# KiCad board rabbit_mask.kicad_pcb (continued)
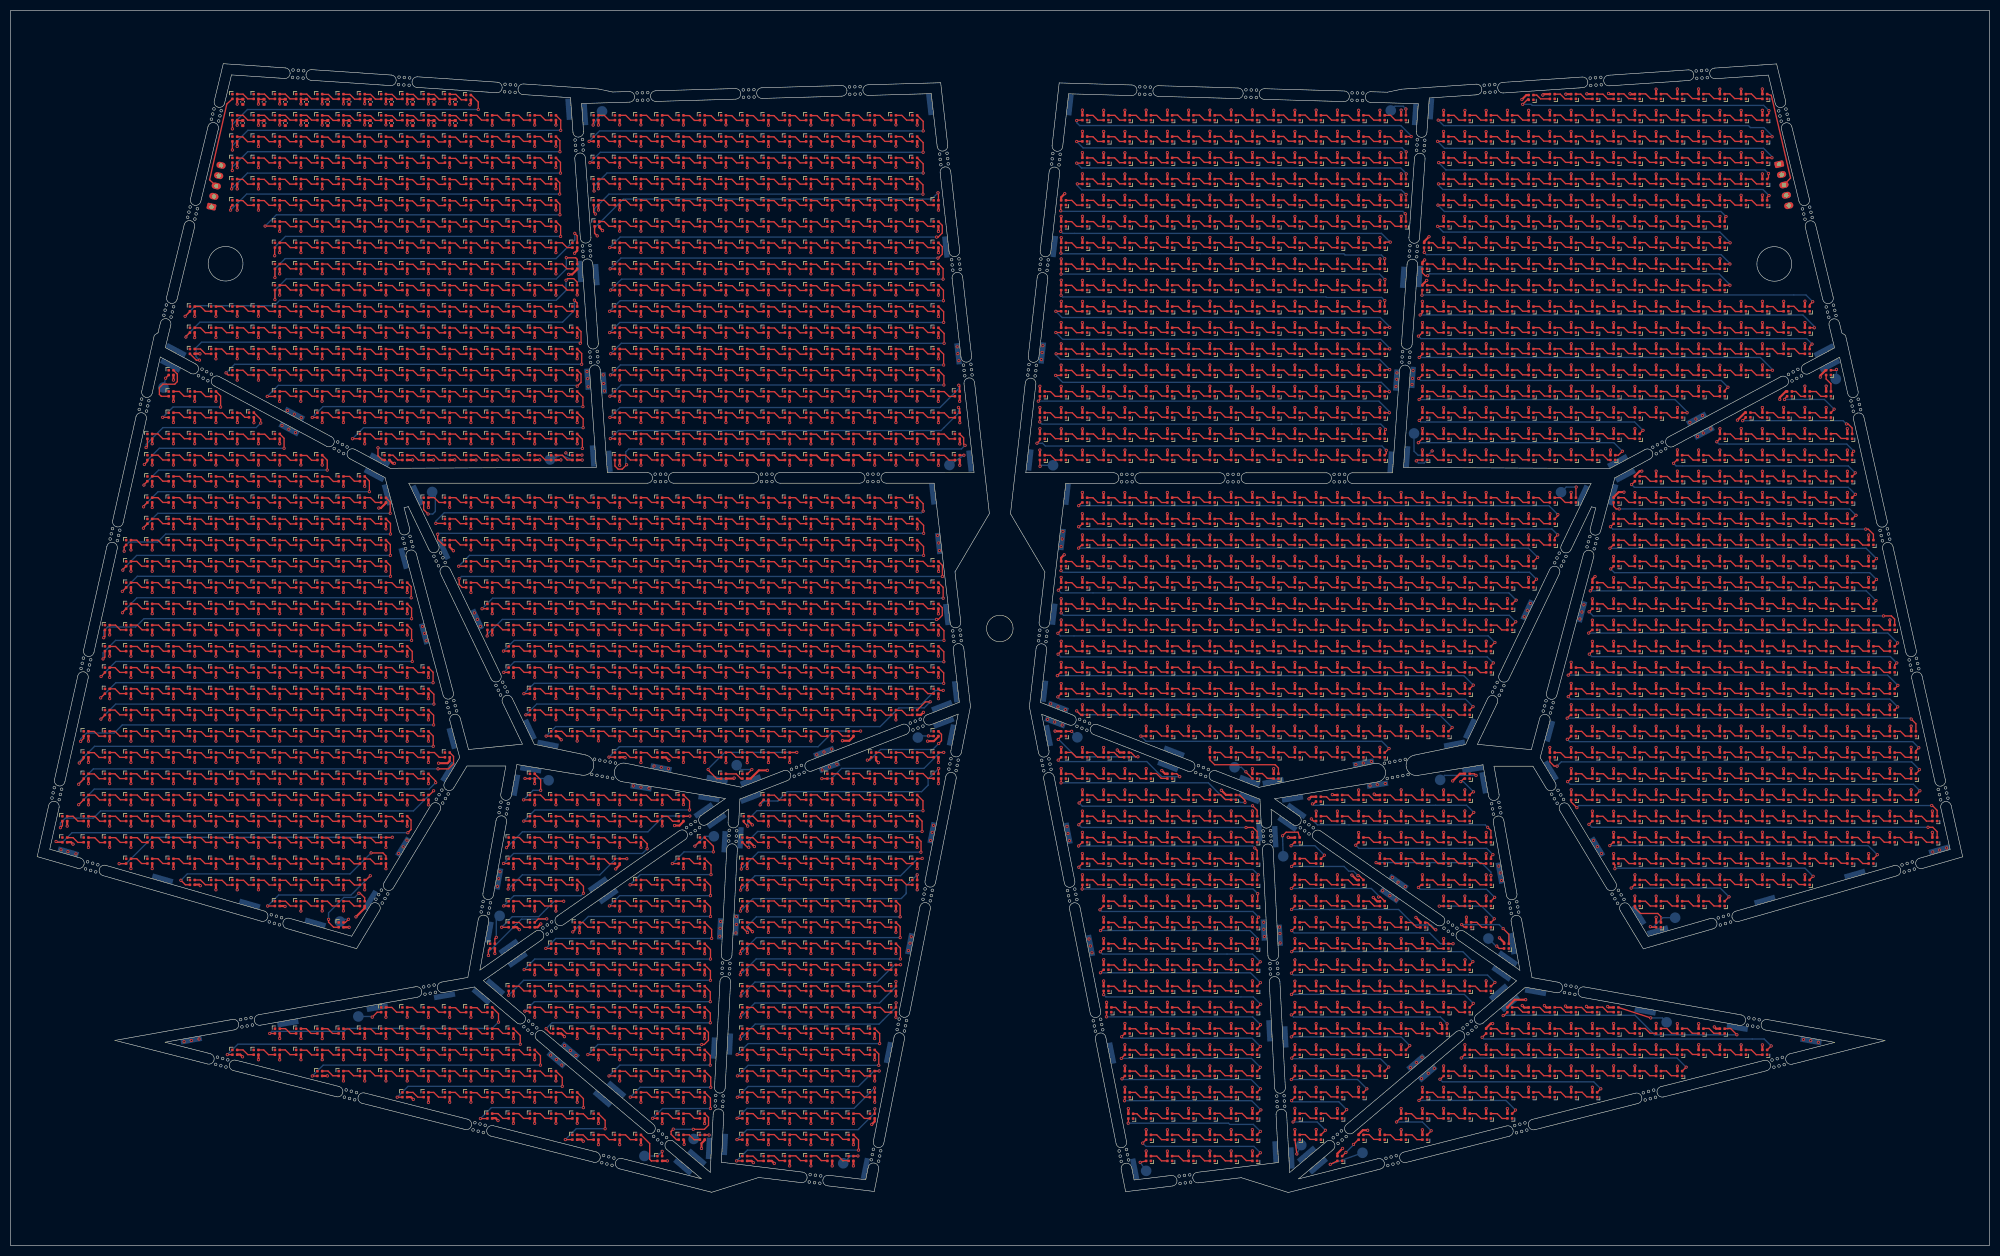
[diagram p0: board, top side]
## Nets
GND: C1485.2 C1485#2.2 C1485#3.2 C1485#4.2 C1485#5.2 C1485#6.2 C1485#7.2 C1485#8.2 C1485#9.2 C1485#10.2 C1485#11.2 C1485#12.2 C1485#13.2 C1485#14.2 C1485#15.2 C1485#16.2 C1485#17.2 C1485#18.2 C1485#19.2 C1485#20.2 C1485#21.2 C1485#22.2 D1.4 D2.4 D3.4 D4.4 D5.4 D6.4 D7.4 D8.4 D9.4 D10.4 D11.4 D12.4 D13.4 D14.4 D15.4 D16.4 D17.4 D18.4 D19.4 D20.4 D21.4 D22.4 D23.4 D24.4 D25.4 D26.4 D27.4 D28.4 D29.4 D30.4 D31.4 D32.4 D33.4 D34.4 D35.4 D36.4 D37.4 D38.4 D39.4 D40.4 D41.4 D42.4 D43.4 D44.4 D45.4 D46.4 D47.4 D48.4 D49.4 D50.4 D51.4 D52.4 D53.4 D54.4 D55.4 D56.4 D57.4 D58.4 D59.4 D60.4 D61.4 D62.4 D63.4 D64.4 D65.4 D66.4 D67.4 D68.4 D69.4 D70.4 D71.4 D72.4 D73.4 D74.4 D75.4 D76.4 D77.4 D78.4 D79.4 D80.4 D81.4 D82.4 D83.4 D84.4 D85.4 D86.4 D87.4 D88.4 D89.4 D90.4 D91.4 D92.4 D93.4 D94.4 D95.4 D96.4 D97.4 D98.4 D99.4 D100.4 D101.4 D102.4 D103.4 D104.4 D105.4 D106.4 D107.4 D108.4 D110.4 D111.4 D112.4 D113.4 D114.4 D115.4 D116.4 D117.4 D118.4 D119.4 D120.4 D121.4 D122.4 D123.4 D124.4 D125.4 D126.4 D127.4 D128.4 D129.4 D130.4 D131.4 D132.4 D133.4 D134.4 D135.4 D136.4 D137.4 D138.4 D139.4 D140.4 D141.4 D143.4 D144.4 D145.4 D146.4 D147.4 D148.4 D149.4 D150.4 D151.4 D152.4 D153.4 D154.4 D155.4 D156.4 D157.4 D158.4 D159.4 D160.4 D161.4 D162.4 D163.4 D164.4 D165.4 D166.4 D167.4 D168.4 D169.4 D170.4 D171.4 D172.4 D173.4 D174.4 D175.4 D179.4 D180.4 D181.4 D182.4 D183.4 D184.4 D185.4 D186.4 D187.4 D188.4 D189.4 D190.4 D191.4 D192.4 D193.4 D194.4 D195.4 D196.4 D197.4 D198.4 D199.4 D200.4 D201.4 D202.4 D203.4 D204.4 D205.4 D206.4 D207.4 D208.4 D209.4 D210.4 D211.4 D212.4 D213.4 D214.4 D215.4 D216.4 D217.4 D218.4 D219.4 D220.4 D221.4 D222.4 D223.4 D224.4 D225.4 D226.4 D227.4 D228.4 D229.4 D230.4 D231.4 D232.4 D233.4 D234.4 D235.4 D236.4 D237.4 D238.4 D239.4 D240.4 D241.4 D242.4 D243.4 D244.4 D245.4 D246.4 D247.4 D248.4 D249.4 D250.4 D251.4 D252.4 D253.4 D254.4 D255.4 D256.4 D257.4 D258.4 D259.4 D260.4 D261.4 D262.4 D263.4 D264.4 D265.4 D266.4 D267.4 D268.4 D269.4 D270.4 D271.4 D272.4 D273.4 D274.4 D275.4 D276.4 D277.4 D278.4 D279.4 D280.4 D281.4 D282.4 D283.4 D284.4 D285.4 D286.4 D287.4 D288.4 D289.4 D290.4 D291.4 D292.4 D293.4 D294.4 D295.4 D296.4 D297.4 D298.4 D299.4 D300.4 D301.4 D302.4 D303.4 D304.4 D305.4 D306.4 D307.4 D308.4 D309.4 D310.4 D311.4 D312.4 D313.4 D314.4 D315.4 D316.4 D317.4 D318.4 D319.4 D320.4 D321.4 D322.4 D323.4 D324.4 D325.4 D326.4 D327.4 D328.4 D329.4 D330.4 D331.4 D332.4 D333.4 D334.4 D335.4 D336.4 D337.4 D338.4 D339.4 D340.4 D341.4 D342.4 D343.4 D344.4 D345.4 D346.4 D347.4 D348.4 D349.4 D350.4 D351.4 D352.4 D353.4 D354.4 D355.4 D356.4 D357.4 D358.4 D359.4 D360.4 D361.4 D362.4 D363.4 D364.4 D365.4 D366.4 D367.4 D368.4 D369.4 D370.4 D371.4 D372.4 D373.4 D374.4 D375.4 D376.4 D377.4 D378.4 D379.4 D380.4 D381.4 D382.4 D383.4 D384.4 D385.4 D386.4 D387.4 D388.4 D389.4 D390.4 D391.4 D392.4 D393.4 D394.4 D395.4 D396.4 D397.4 D398.4 D399.4 D400.4 D401.4 D402.4 D403.4 D404.4 D405.4 D406.4 D407.4 D408.4 D409.4 D410.4 D411.4 D412.4 D413.4 D414.4 D415.4 D416.4 D417.4 D418.4 D419.4 D420.4 D421.4 D422.4 D423.4 D424.4 D425.4 D426.4 D427.4 D428.4 D429.4 D430.4 D431.4 D432.4 D433.4 D434.4 D435.4 D436.4 D437.4 D438.4 D439.4 D440.4 D441.4 D442.4 D443.4 D444.4 D445.4 D446.4 D447.4 D448.4 D449.4 D450.4 D451.4 D452.4 D453.4 D454.4 D455.4 D456.4 D457.4 D458.4 D459.4 D460.4 D461.4 D462.4 D463.4 D464.4 D465.4 D466.4 D467.4 D468.4 D469.4 D470.4 D471.4 D472.4 D473.4 D474.4 D475.4 D476.4 D477.4 D478.4 D479.4 D480.4 D481.4 D482.4 D483.4 D484.4 D485.4 D486.4 D487.4 D488.4 D489.4 D490.4 D491.4 D492.4 D493.4 D494.4 D495.4 D496.4 D497.4 D498.4 D499.4 D500.4 D501.4 D502.4 D503.4 D504.4 D505.4 D506.4 D507.4 D508.4 D509.4 D510.4 D511.4 D512.4 D513.4 D514.4 D515.4 D516.4 D517.4 D518.4 D519.4 D520.4 D521.4 D522.4 D523.4 D524.4 D525.4 D526.4 D527.4 D528.4 D529.4 D530.4 D531.4 D532.4 D533.4 D534.4 D535.4 D536.4 D537.4 D538.4 D539.4 D540.4 D541.4 D542.4 D543.4 D544.4 D545.4 D546.4 D547.4 D548.4 D549.4 D550.4 D551.4 D552.4 D553.4 D554.4 D555.4 D556.4 D557.4 D558.4 D559.4 D560.4 D561.4 D562.4 D563.4 D564.4 D565.4 D566.4 D567.4 D568.4 D569.4 D570.4 D571.4 D572.4 D573.4 D574.4 D575.4 D576.4 D577.4 D578.4 D579.4 D580.4 D581.4 D582.4 D583.4 D584.4 D585.4 D586.4 D587.4 D588.4 D589.4 D590.4 D591.4 D592.4 D593.4 D594.4 D595.4 D596.4 D597.4 D598.4 D599.4 D600.4 D601.4 D602.4 D603.4 D604.4 D605.4 D606.4 D607.4 D608.4 D609.4 D610.4 D611.4 D612.4 D613.4 D614.4 D615.4 D616.4 D617.4 D618.4 D619.4 D620.4 D621.4 D622.4 D623.4 D624.4 D625.4 D626.4 D627.4 D628.4 D629.4 D630.4 D631.4 D632.4 D633.4 D634.4 D635.4 D636.4 D637.4 D638.4 D639.4 D640.4 D641.4 D642.4 D643.4 D644.4 D645.4 D646.4 D647.4 D648.4 D649.4 D650.4 D651.4 D652.4 D653.4 D654.4 D655.4 D656.4 D657.4 D658.4 D659.4 D660.4 D661.4 D662.4 D663.4 D664.4 D665.4 D666.4 D667.4 D668.4 D669.4 D670.4 D671.4 D672.4 D673.4 D674.4 D675.4 D676.4 D677.4 D678.4 D679.4 D680.4 D681.4 D682.4 D683.4 D684.4 D685.4 D686.4 D687.4 D688.4 D689.4 D690.4 D691.4 D692.4 D693.4 D694.4 D695.4 D696.4 D697.4 D698.4 D699.4 D700.4 D701.4 D702.4 D703.4 D704.4 D705.4 D706.4 D707.4 D708.4 D709.4 D710.4 D711.4 D712.4 D713.4 D714.4 D715.4 D716.4 D717.4 D718.4 D719.4 D720.4 D721.4 D722.4 D723.4 D724.4 D725.4 D726.4 D727.4 D728.4 D729.4 D730.4 D731.4 D732.4 D733.4 D734.4 D735.4 D736.4 D737.4 D738.4 D739.4 D740.4 D741.4 D742.4 D743.4 D744.4 D745.4 D746.4 D747.4 D748.4 D749.4 D750.4 D751.4 D752.4 D753.4 D754.4 D755.4 D756.4 D757.4 D758.4 D759.4 D760.4 D761.4 D762.4 D763.4 D764.4 D765.4 D766.4 D767.4 D768.4 D769.4 D770.4 D771.4 D772.4 D773.4 D774.4 D775.4 D776.4 D777.4 D778.4 D779.4 D780.4 D781.4 D782.4 D783.4 D784.4 D785.4 D786.4 D787.4 D788.4 D789.4 D790.4 D791.4 D792.4 D793.4 D794.4 D795.4 D796.4 D797.4 D798.4 D799.4 D800.4 D801.4 D802.4 D803.4 D804.4 D805.4 D806.4 D807.4 D808.4 D809.4 D810.4 D811.4 D812.4 D813.4 D814.4 D815.4 D816.4 D817.4 D818.4 D819.4 D820.4 D821.4 D822.4 D823.4 D824.4 D825.4 D826.4 D827.4 D828.4 D829.4 D830.4 D831.4 D832.4 D833.4 D834.4 D835.4 D836.4 D837.4 D838.4 D839.4 D840.4 D841.4 D842.4 D843.4 D844.4 D845.4 D846.4 D847.4 D848.4 D849.4 D850.4 D851.4 D852.4 D853.4 D854.4 D855.4 D856.4 D857.4 D858.4 D859.4 D860.4 D861.4 D862.4 D863.4 D864.4 D865.4 D866.4 D867.4 D868.4 D869.4 D870.4 D871.4 D872.4 D873.4 D874.4 D875.4 D876.4 D877.4 D878.4 D879.4 D880.4 D881.4 D882.4 D883.4 D884.4 D885.4 D886.4 D887.4 D888.4 D889.4 D890.4 D891.4 D892.4 D893.4 D894.4 D895.4 D896.4 D897.4 D898.4 D899.4 D900.4 D901.4 D902.4 D903.4 D904.4 D905.4 D906.4 D907.4 D908.4 D909.4 D910.4 D911.4 D912.4 D913.4 D914.4 D915.4 D916.4 D917.4 D918.4 D919.4 D920.4 D921.4 D922.4 D923.4 D924.4 D925.4 D926.4 D927.4 D928.4 D929.4 D930.4 D931.4 D932.4 D933.4 D934.4 D935.4 D936.4 D937.4 D938.4 D939.4 D940.4 D941.4 D942.4 D943.4 D944.4 D945.4 D946.4 D947.4 D948.4 D949.4 D950.4 D951.4 D952.4 D953.4 D954.4 D955.4 D956.4 D957.4 D958.4 D959.4 D960.4 D961.4 D962.4 D963.4 D964.4 D965.4 D966.4 D967.4 D968.4 D969.4 D970.4 D971.4 D972.4 D973.4 D974.4 D975.4 D976.4 D977.4 D978.4 D979.4 D980.4 D981.4 D982.4 D983.4 D984.4 D985.4 D986.4 D987.4 D988.4 D989.4 D990.4 D991.4 D992.4 D993.4 D994.4 D995.4 D996.4 D997.4 D998.4 D999.4 D1000.4 D1001.4 D1002.4 D1003.4 D1004.4 D1005.4 D1006.4 D1007.4 D1008.4 D1009.4 D1010.4 D1011.4 D1012.4 D1013.4 D1014.4 D1015.4 D1016.4 D1017.4 D1018.4 D1019.4 D1020.4 D1021.4 D1022.4 D1023.4 D1024.4 D1025.4 D1026.4 D1027.4 D1028.4 D1029.4 D1030.4 D1031.4 D1032.4 D1033.4 D1034.4 D1035.4 D1036.4 D1037.4 D1038.4 D1039.4 D1040.4 D1041.4 D1042.4 D1043.4 D1044.4 D1045.4 D1046.4 D1047.4 D1048.4 D1049.4 D1050.4 D1051.4 D1052.4 D1053.4 D1054.4 D1055.4 D1056.4 D1057.4 D1058.4 D1059.4 D1060.4 D1061.4 D1062.4 D1063.4 D1064.4 D1065.4 D1066.4 D1067.4 D1068.4 D1069.4 D1070.4 D1071.4 D1072.4 D1073.4 D1074.4 D1075.4 D1076.4 D1077.4 D1078.4 D1079.4 D1080.4 D1081.4 D1082.4 D1083.4 D1084.4 D1085.4 D1086.4 D1087.4 D1088.4 D1089.4 D1090.4 D1091.4 D1092.4 D1093.4 D1094.4 D1095.4 D1096.4 D1097.4 D1098.4 D1099.4 D1100.4 D1101.4 D1102.4 D1103.4 D1104.4 D1105.4 D1106.4 D1107.4 D1108.4 D1109.4 D1110.4 D1111.4 D1112.4 D1113.4 D1114.4 D1115.4 D1116.4 D1117.4 D1118.4 D1119.4 D1120.4 D1121.4 D1122.4 D1123.4 D1124.4 D1125.4 D1126.4 D1127.4 D1128.4 D1129.4 D1130.4 D1131.4 D1132.4 D1133.4 D1134.4 D1135.4 D1136.4 D1137.4 D1138.4 D1139.4 D1140.4 D1141.4 D1142.4 D1143.4 D1144.4 D1145.4 D1146.4 D1147.4 D1148.4 D1149.4 D1150.4 D1151.4 D1152.4 D1153.4 D1154.4 D1155.4 D1156.4 D1157.4 D1158.4 D1159.4 D1160.4 D1161.4 D1162.4 D1163.4 D1164.4 D1165.4 D1166.4 D1167.4 D1168.4 D1169.4 D1170.4 D1171.4 D1172.4 D1173.4 D1174.4 D1175.4 D1176.4 D1177.4 D1178.4 D1179.4 D1180.4 D1181.4 D1182.4 D1183.4 D1184.4 D1185.4 D1186.4 D1187.4 D1188.4 D1189.4 D1190.4 D1191.4 D1192.4 D1193.4 D1194.4 D1195.4 D1196.4 D1197.4 D1198.4 D1199.4 D1200.4 D1201.4 D1202.4 D1203.4 D1204.4 D1205.4 D1206.4 D1207.4 D1208.4 D1209.4 D1210.4 D1211.4 D1212.4 D1213.4 D1214.4 D1215.4 D1216.4 D1217.4 D1218.4 D1219.4 D1220.4 D1221.4 D1222.4 D1223.4 D1224.4 D1225.4 D1226.4 D1227.4 D1228.4 D1229.4 D1230.4 D1231.4 D1232.4 D1233.4 D1234.4 D1235.4 D1236.4 D1237.4 D1238.4 D1239.4 D1240.4 D1241.4 D1242.4 D1243.4 D1244.4 D1245.4 D1246.4 D1247.4 D1248.4 D1249.4 D1250.4 D1251.4 D1252.4 D1253.4 D1254.4 D1255.4 D1256.4 D1257.4 D1258.4 D1259.4 D1260.4 D1261.4 D1262.4 D1263.4 D1264.4 D1265.4 D1266.4 D1267.4 D1268.4 D1269.4 D1270.4 D1271.4 D1272.4 D1273.4 D1274.4 D1275.4 D1276.4 D1277.4 D1278.4 D1279.4 D1280.4 D1281.4 D1282.4 D1283.4 D1284.4 D1285.4 D1286.4 D1287.4 D1288.4 D1289.4 D1290.4 D1291.4 D1292.4 D1293.4 D1294.4 D1295.4 D1296.4 D1297.4 D1298.4 D1299.4 D1300.4 D1301.4 D1302.4 D1303.4 D1304.4 D1305.4 D1306.4 D1307.4 D1308.4 D1309.4 D1310.4 D1311.4 D1312.4 D1313.4 D1314.4 D1315.4 D1316.4 D1317.4 D1318.4 D1319.4 D1320.4 D1321.4 D1322.4 D1323.4 D1324.4 D1325.4 D1326.4 D1327.4 D1328.4 D1329.4 D1330.4 D1331.4 D1332.4 D1333.4 D1334.4 D1335.4 D1336.4 D1337.4 D1338.4 D1339.4 D1340.4 D1341.4 D1342.4 D1343.4 D1344.4 D1345.4 D1346.4 D1347.4 D1348.4 D1349.4 D1350.4 D1351.4 D1352.4 D1353.4 D1354.4 D1355.4 D1356.4 D1357.4 D1358.4 D1359.4 D1360.4 D1361.4 D1362.4 D1363.4 D1364.4 D1365.4 D1366.4 D1367.4 D1368.4 D1369.4 D1370.4 D1371.4 D1372.4 D1373.4 D1374.4 D1375.4 D1376.4 D1377.4 D1378.4 D1379.4 D1380.4 D1381.4 D1382.4 D1383.4 D1384.4 D1385.4 D1386.4 D1387.4 D1388.4 D1389.4 D1390.4 D1391.4 D1392.4 D1393.4 D1394.4 D1395.4 D1396.4 D1397.4 D1398.4 D1399.4 D1400.4 D1401.4 D1402.4 D1403.4 D1404.4 D1405.4 D1406.4 D1407.4 D1408.4 D1409.4 D1410.4 D1411.4 D1412.4 D1413.4 D1414.4 D1415.4 D1416.4 D1417.4 D1418.4 D1419.4 D1420.4 D1421.4 D1422.4 D1423.4 D1424.4 D1425.4 D1426.4 D1427.4 D1428.4 D1429.4 D1430.4 D1431.4 D1432.4 D1433.4 D1434.4 D1435.4 D1436.4 D1437.4 D1438.4 D1439.4 D1440.4 D1441.4 D1442.4 D1443.4 D1444.4 D1445.4 D1446.4 D1447.4 D1448.4 D1449.4 D1450.4 D1451.4 D1452.4 D1453.4 D1454.4 D1455.4 D1456.4 D1457.4 D1458.4 D1459.4 D1460.4 D1461.4 D1462.4 D1463.4 D1464.4 D1465.4 D1466.4 D1467.4 D1468.4 D1469.4 D1470.4 D1471.4 D1472.4 D1473.4 D1474.4 D1475.4 D1476.4 D1477.4 D1478.4 D1479.4 D1480.4 D1481.4 D1482.4 D1483.4 D1484.4 D1485.4 D1486.4 D1487.4 D1488.4 D1489.4 D1490.4 D1491.4 D1492.4 D1493.4 D1494.4 D1495.4 D1496.4 D1497.4 D1498.4 D1499.4 D1500.4 D1501.4 D1502.4 D1503.4 D1504.4 D1505.4 D1506.4 D1507.4 D1508.4 D1509.4 D1510.4 D1511.4 D1512.4 D1513.4 D1514.4 D1515.4 D1516.4 D1517.4 D1518.4 D1519.4 D1520.4 D1521.4 D1522.4 D1523.4 D1524.4 D1525.4 D1526.4 D1527.4 D1528.4 D1529.4 D1530.4 D1531.4 D1532.4 D1533.4 D1534.4 D1535.4 D1536.4 D1537.4 D1538.4 D1539.4 D1540.4 D1541.4 D1542.4 D1543.4 D1544.4 D1545.4 D1546.4 D1547.4 D1548.4 D1549.4 D1550.4 D1551.4 D1552.4 D1553.4 D1554.4 D1555.4 D1556.4 D1557.4 D1558.4 D1559.4 D1560.4 D1561.4 D1562.4 D1563.4 D1564.4 D1565.4 D1566.4 D1567.4 D1568.4 D1569.4 D1570.4 D1571.4 D1572.4 D1573.4 D1574.4 D1575.4 D1576.4 D1577.4 D1578.4 D1579.4 D1580.4 D1581.4 D1582.4 D1583.4 D1584.4 D1585.4 D1586.4 D1587.4 D1588.4 D1589.4 D1590.4 D1591.4 D1592.4 D1593.4 D1594.4 D1595.4 D1596.4 D1597.4 D1598.4 D1599.4 D1600.4 D1601.4 D1602.4 D1603.4 D1604.4 D1605.4 D1606.4 D1607.4 D1608.4 D1609.4 D1610.4 D1611.4 D1612.4 D1613.4 D1614.4 D1615.4 D1616.4 D1617.4 D1618.4 D1619.4 D1620.4 D1621.4 D1622.4 D1623.4 D1624.4 D1625.4 D1626.4 D1627.4 D1628.4 D1629.4 D1630.4 D1631.4 D1632.4 D1633.4 D1634.4 D1635.4 D1636.4 D1637.4 D1638.4 D1639.4 D1640.4 D1641.4 D1642.4 D1643.4 D1644.4 D1645.4 D1646.4 D1647.4 D1648.4 D1649.4 D1650.4 D1651.4 D1652.4 D1653.4 D1654.4 D1655.4 D1656.4 D1657.4 D1658.4 D1659.4 D1660.4 D1661.4 D1662.4 D1663.4 D1664.4 D1665.4 D1666.4 D1667.4 D1668.4 D1669.4 D1670.4 D1671.4 D1672.4 D1673.4 D1674.4 D1675.4 D1676.4 D1677.4 D1678.4 D1679.4 D1680.4 D1681.4 D1682.4 D1683.4 D1684.4 D1685.4 D1686.4 D1687.4 D1688.4 D1689.4 D1690.4 D1694.4 D1695.4 D1696.4 D1697.4 D1698.4 D1699.4 D1700.4 D1701.4 D1702.4 D1703.4 D1704.4 D1705.4 D1706.4 D1707.4 D1708.4 D1709.4 D1710.4 D1711.4 D1712.4 D1713.4 D1714.4 D1715.4 D1716.4 D1717.4 D1718.4 D1719.4 D1720.4 D1721.4 D1722.4 D1723.4 D1724.4 D1725.4 D1726.4 D1727.4 D1728.4 D1729.4 D1730.4 D1731.4 D1732.4 D1733.4 D1734.4 D1735.4 D1736.4 D1737.4 D1738.4 D1739.4 D1740.4 D1741.4 D1742.4 D1743.4 D1744.4 D1745.4 D1746.4 D1747.4 D1748.4 D1749.4 D1750.4 D1751.4 D1752.4 D1753.4 D1754.4 D1755.4 D1756.4 D1757.4 D1758.4 D1759.4 D1760.4 D1761.4 D1762.4 D1763.4 D1764.4 D1765.4 D1766.4 D1767.4 D1768.4 D1769.4 D1770.4 D1771.4 D1772.4 D1773.4 D1774.4 D1775.4 D1776.4 D1777.4 D1778.4 D1779.4 D1780.4 D1781.4 D1782.4 D1783.4 D1784.4 D1785.4 D1786.4 D1787.4 D1788.4 D1789.4 D1790.4 D1791.4 D1792.4 D1793.4 D1794.4 D1795.4 D1796.4 D1797.4 D1798.4 D1799.4 D1800.4 D1801.4 D1802.4 D1803.4 D1804.4 D1805.4 D1806.4 D1807.4 D1808.4 D1809.4 D1810.4 D1811.4 D1812.4 D1813.4 D1814.4 D1815.4 D1816.4 D1817.4 D1818.4 D1819.4 D1820.4 D1821.4 D1822.4 D1823.4 D1824.4 D1825.4 D1826.4 D1827.4 D1828.4 D1829.4 D1830.4 D1831.4 D1832.4 D1833.4 D1834.4 D1835.4 D1836.4 D1837.4 D1838.4 D1839.4 D1840.4 D1841.4 D1842.4 D1843.4 D1844.4 D1845.4 D1846.4 D1847.4 D1848.4 D1849.4 D1850.4 D1851.4 D1852.4 D1853.4 D1854.4 D1855.4 D1856.4 D1857.4 D1858.4 D1859.4 D1860.4 D1861.4 D1862.4 D1863.4 D1864.4 D1865.4 D1866.4 D1867.4 D1868.4 D1869.4 D1870.4 D1871.4 D1872.4 D1873.4 D1874.4 D1875.4 D1876.4 D1877.4 D1878.4 D1879.4 D1880.4 D1881.4 D1882.4 D1883.4 D1884.4 D1885.4 D1886.4 D1887.4 D1888.4 D1889.4 D1890.4 D1891.4 D1892.4 D1893.4 D1894.4 D1895.4 D1896.4 D1897.4 D1898.4 D1899.4 D1900.4 D1901.4 D1902.4 D1903.4 D1904.4 D1905.4 D1906.4 D1907.4 D1908.4 D1909.4 D1910.4 D1911.4 D1912.4 D1913.4 D1914.4 D1915.4 D1916.4 D1917.4 D1918.4 D1919.4 D1920.4 D1921.4 D1922.4 D1923.4 D1924.4 D1925.4 D1926.4 D1927.4 D1928.4 D1929.4 D1930.4 D1931.4 D1932.4 D1933.4 D1934.4 D1935.4 D1936.4 D1937.4 D1938.4 D1939.4 D1940.4 D1941.4 D1942.4 D1943.4 D1944.4 D1945.4 D1946.4 D1947.4 D1948.4 D1949.4 D1950.4 D1951.4 D1952.4 D1953.4 D1954.4 D1955.4 D1956.4 D1957.4 D1958.4 D1959.4 D1960.4 D1961.4 D1962.4 D1963.4 D1964.4 D1965.4 D1966.4 D1967.4 D1968.4 D1969.4 D1970.4 D1971.4 D1972.4 D1973.4 D1974.4 D1975.4 D1976.4 D1977.4 D1978.4 D1979.4 D1980.4 D1981.4 D1982.4 D1983.4 D1984.4 D1985.4 D1986.4 D1987.4 D1988.4 D1989.4 D1990.4 D1991.4 D1992.4 D1993.4 D1994.4 D1995.4 D1996.4 D1997.4 D1998.4 D1999.4 D2000.4 D2001.4 D2002.4 D2003.4 D2004.4 D2005.4 D2006.4 D2007.4 D2008.4 D2009.4 D2010.4 D2011.4 D2012.4 D2013.4 D2014.4 D2015.4 D2016.4 D2017.4 D2018.4 D2019.4 D2020.4 D2021.4 D2022.4 D2023.4 D2024.4 D2025.4 D2026.4 D2027.4 D2028.4 D2029.4 D2030.4 D2031.4 D2032.4 D2033.4 D2034.4 D2035.4 D2036.4 D2037.4 D2038.4 D2039.4 D2040.4 D2041.4 D2042.4 D2043.4 D2044.4 D2045.4 D2046.4 D2047.4 D2048.4 D2049.4 D2050.4 D2051.4 D2052.4 D2053.4 D2054.4 D2055.4 D2056.4 D2057.4 D2058.4 D2059.4 D2060.4 D2061.4 D2062.4 D2063.4 D2064.4 D2065.4 D2066.4 D2067.4 D2068.4 D2069.4 D2070.4 D2071.4 D2072.4 D2073.4 D2074.4 D2075.4 D2076.4 D2077.4 D2078.4 D2079.4 D2080.4 D2081.4 D2082.4 D2083.4 D2084.4 D2085.4 D2086.4 D2087.4 D2088.4 D2089.4 D2090.4 D2091.4 D2092.4 D2093.4 D2094.4 D2095.4 D2096.4 D2097.4 D2098.4 D2099.4 D2100.4 D2101.4 D2102.4 D2103.4 D2104.4 D2105.4 D2106.4 D2107.4 D2108.4 D2109.4 D2110.4 D2111.4 D2112.4 D2113.4 D2114.4 D2115.4 D2116.4 D2117.4 D2118.4 D2119.4 D2120.4 D2121.4 D2122.4 D2123.4 D2124.4 D2125.4 D2126.4 D2127.4 D2128.4 D2129.4 D2130.4 D2131.4 D2132.4 D2133.4 D2134.4 D2135.4 D2136.4 D2137.4 D2138.4 D2139.4 D2140.4 D2141.4 D2142.4 D2143.4 D2144.4 D2145.4 D2146.4 D2147.4 D2148.4 D2149.4 D2150.4 D2151.4 D2152.4 D2153.4 D2154.4 D2155.4 D2156.4 D2157.4 D2158.4 D2159.4 D2160.4 D2161.4 D2162.4 D2163.4 D2164.4 D2165.4 D2166.4 D2167.4 D2168.4 D2169.4 D2170.4 D2171.4 D2172.4 D2173.4 D2174.4 D2175.4 D2176.4 D2177.4 D2178.4 D2179.4 D2180.4 D2181.4 D2182.4 D2183.4 D2184.4 D2185.4 D2186.4 D2187.4 D2188.4 D2189.4 D2190.4 D2191.4 D2192.4 D2193.4 D2194.4 D2195.4 D2196.4 D2197.4 D2198.4 D2199.4 D2200.4 D2201.4 D2202.4 D2203.4 D2204.4 D2205.4 D2206.4 D2207.4 D2208.4 D2209.4 D2210.4 D2211.4 D2212.4 D2213.4 D2214.4 D2215.4 D2216.4 D2217.4 D2218.4 D2219.4 D2220.4 D2221.4 D2222.4 D2223.4 D2224.4 D2225.4 D2226.4 D2227.4 D2228.4 D2229.4 D2230.4 D2231.4 D2232.4 D2233.4 D2234.4 D2235.4 D2236.4 D2237.4 D2238.4 D2239.4 D2240.4 D2241.4 D2242.4 D2243.4 D2244.4 D2245.4 D2246.4 D2247.4 D2248.4 D2249.4 D2250.4 D2251.4 D2252.4 D2253.4 D2254.4 D2255.4 D2256.4 D2257.4 D2258.4 D2259.4 D2260.4 D2261.4 D2262.4 D2263.4 D2264.4 D2265.4 D2266.4 D2267.4 D2268.4 D2269.4 D2270.4 D2271.4 D2272.4 D2273.4 D2274.4 D2275.4 D2276.4 D2277.4 D2278.4 D2279.4 D2280.4 D2281.4 D2282.4 D2283.4 D2284.4 D2285.4 D2286.4 D2287.4 D2288.4 D2289.4 D2290.4 D2291.4 D2292.4 D2293.4 D2294.4 D2295.4 D2296.4 D2297.4 D2298.4 D2299.4 D2300.4 D2301.4 D2302.4 D2303.4 D2304.4 D2305.4 D2306.4 D2307.4 D2308.4 D2309.4 D2310.4 D2311.4 D2312.4 D2313.4 D2314.4 D2315.4 D2316.4 D2317.4 D2318.4 D2319.4 D2320.4 D2321.4 D2322.4 D2323.4 D2324.4 D2325.4 D2326.4 D2327.4 D2328.4 D2329.4 D2330.4 D2331.4 D2332.4 D2333.4 D2334.4 D2335.4 D2336.4 D2337.4 D2338.4 D2339.4 D2340.4 D2341.4 D2342.4 D2343.4 D2344.4 D2345.4 D2346.4 D2347.4 D2348.4 D2349.4 D2350.4 D2351.4 D2352.4 D2353.4 D2354.4 D2355.4 D2356.4 D2357.4 D2358.4 D2359.4 D2360.4 D2361.4 D2362.4 D2363.4 D2364.4 D2365.4 D2366.4 D2367.4 D2368.4 D2369.4 D2370.4 D2371.4 D2372.4 D2373.4 D2374.4 D2375.4 D2376.4 D2377.4 D2378.4 D2379.4 D2380.4 D2381.4 D2382.4 D2383.4 D2384.4 D2385.4 D2386.4 D2387.4 D2388.4 D2389.4 D2390.4 D2391.4 D2392.4 D2393.4 D2394.4 D2395.4 D2396.4 D2397.4 D2398.4 D2399.4 D2400.4 D2401.4 D2402.4 D2403.4 D2404.4 D2405.4 D2406.4 D2407.4 D2408.4 D2409.4 D2410.4 D2411.4 D2412.4 D2413.4 D2414.4 D2415.4 D2416.4 D2417.4 D2418.4 D2419.4 D2420.4 D2421.4 D2422.4 D2423.4 D2424.4 D2425.4 D2426.4 D2427.4 D2428.4 D2429.4 D2430.4 D2431.4 D2432.4 D2433.4 D2434.4 D2435.4 D2436.4 D2437.4 D2438.4 D2439.4 D2440.4 D2441.4 D2442.4 D2443.4 D2444.4 D2445.4 D2446.4 D2447.4 D2448.4 D2449.4 D2450.4 D2451.4 D2452.4 D2453.4 D2454.4 D2455.4 D2456.4 D2457.4 D2458.4 D2459.4 D2460.4 D2461.4 D2462.4 D2463.4 D2464.4 D2465.4 D2466.4 D2467.4 D2468.4 D2469.4 D2470.4 D2471.4 D2472.4 D2473.4 D2474.4 D2475.4 D2476.4 D2477.4 D2478.4 D2479.4 D2480.4 D2481.4 D2482.4 D2483.4 D2484.4 D2485.4 D2486.4 D2487.4 D2488.4 D2489.4 D2490.4 D2491.4 D2492.4 D2493.4 D2494.4 D2495.4 D2496.4 D2497.4 D2498.4 D2499.4 D2500.4 D2501.4 D2502.4 D2503.4 D2504.4 D2505.4 D2506.4 D2507.4 D2508.4 D2509.4 D2510.4 D2511.4 D2512.4 D2513.4 D2514.4 D2515.4 D2516.4 D2517.4 D2518.4 D2519.4 D2520.4 D2521.4 D2522.4 D2523.4 D2524.4 D2525.4 D2526.4 D2527.4 D2528.4 D2529.4 D2530.4 D2531.4 D2532.4 D2533.4 D2534.4 D2535.4 D2536.4 D2537.4 D2538.4 D2539.4 D2540.4 D2541.4 D2542.4 D2543.4 D2544.4 D2545.4 D2546.4 D2547.4 D2548.4 D2549.4 D2550.4 D2551.4 D2552.4 D2553.4 D2554.4 D2555.4 D2556.4 D2557.4 D2558.4 D2559.4 D2560.4 D2561.4 D2562.4 D2563.4 D2564.4 D2565.4 D2566.4 D2567.4 D2568.4 D2569.4 D2570.4 D2571.4 D2572.4 D2573.4 D2574.4 D2575.4 D2576.4 D2577.4 D2578.4 D2579.4 D2580.4 D2581.4 D2582.4 D2583.4 D2584.4 D2585.4 D2586.4 D2587.4 D2588.4 D2589.4 D2590.4 D2591.4 D2592.4 D2593.4 D2594.4 D2595.4 D2596.4 D2597.4 D2598.4 D2599.4 D2600.4 D2601.4 D2602.4 D2603.4 D2604.4 D2605.4 D2606.4 D2607.4 D2608.4 D2609.4 D2610.4 D2611.4 D2612.4 D2613.4 D2614.4 D2615.4 D2616.4 D2617.4 D2618.4 D2619.4 D2620.4 D2621.4 D2622.4 D2623.4 D2624.4 D2625.4 D2626.4 D2627.4 D2628.4 D2629.4 D2630.4 D2631.4 D2632.4 D2633.4 D2634.4 D2635.4 D2636.4 D2637.4 D2638.4 D2639.4 D2640.4 D2641.4 D2642.4 D2643.4 D2644.4 D2645.4 D2646.4 D2647.4 D2648.4 D2649.4 D2650.4 D2651.4 D2652.4 D2653.4 D2654.4 D2655.4 D2656.4 D2657.4 D2658.4 D2659.4 D2660.4 D2661.4 D2662.4 D2663.4 D2664.4 D2665.4 D2666.4 D2667.4 D2668.4 D2669.4 D2670.4 D2671.4 D2672.4 D2673.4 D2674.4 D2675.4 D2676.4 D2677.4 D2678.4 D2679.4 D2680.4 D2681.4 D2682.4 D2683.4 D2684.4 D2685.4 D2686.4 D2687.4 D2688.4 D2689.4 D2690.4 D2691.4 D2692.4 D2693.4 D2694.4 D2695.4 D2696.4 D2697.4 D2698.4 D2699.4 D2700.4 D2701.4 D2702.4 D2703.4 D2704.4 D2705.4 D2706.4 D2707.4 D2708.4 D2709.4 D2710.4 D2711.4 D2712.4 D2713.4 D2714.4 D2715.4 D2716.4 D2717.4 D2718.4 D2719.4 D2720.4 D2721.4 D2722.4 D2723.4 D2724.4 D2725.4 D2726.4 D2727.4 D2728.4 D2729.4 D2730.4 D2731.4 D2732.4 D2733.4 D2734.4 D2735.4 D2736.4 D2737.4 D2738.4 D2739.4 D2740.4 D2741.4 D2742.4 D2743.4 D2744.4 D2745.4 D2746.4 D2747.4 D2748.4 D2749.4 D2750.4 D2751.4 D2752.4 D2753.4 D2754.4 D2755.4 D2756.4 D2757.4 D2758.4 D2759.4 D2760.4 D2761.4 D2762.4 D2763.4 D2764.4 D2765.4 D2766.4 D2767.4 D2768.4 D2769.4 D2770.4 D2771.4 D2772.4 D2773.4 D2774.4 D2775.4 D2776.4 D2777.4 D2778.4 D2779.4 D2780.4 D2781.4 D2782.4 D2783.4 D2784.4 D2785.4 D2786.4 D2787.4 D2788.4 D2789.4 D2790.4 D2791.4 D2792.4 D2793.4 D2794.4 D2795.4 D2796.4 D2797.4 D2798.4 D2799.4 D2800.4 D2801.4 D2802.4 D2803.4 D2804.4 D2805.4 D2806.4 D2807.4 D2808.4 D2809.4 D2810.4 D2811.4 D2812.4 D2813.4 D2814.4 D2815.4 D2816.4 D2817.4 D2818.4 D2819.4 D2820.4 D2821.4 D2822.4 D2823.4 D2824.4 D2825.4 D2826.4 D2827.4 D2828.4 D2829.4 D2830.4 D2831.4 D2832.4 D2833.4 D2834.4 D2835.4 D2836.4 D2837.4 D2838.4 D2839.4 D2840.4 D2841.4 D2842.4 D2843.4 D2844.4 D2845.4 D2846.4 D2847.4 D2848.4 D2849.4 D2850.4 D2851.4 D2852.4 D2853.4 D2854.4 D2855.4 D2856.4 D2857.4 D2858.4 D2859.4 D2860.4 D2861.4 D2862.4 D2863.4 D2864.4 D2865.4 D2866.4 D2867.4 D2868.4 D2869.4 D2870.4 D2871.4 D2872.4 D2873.4 D2874.4 D2875.4 D2876.4 D2877.4 D2878.4 D2879.4 D2880.4 D2881.4 D2882.4 D2883.4 D2884.4 D2885.4 D2886.4 D2887.4 D2888.4 D2889.4 D2890.4 D2891.4 D2892.4 D2893.4 D2894.4 D2895.4 D2896.4 D2897.4 D2898.4 D2899.4 D2900.4 D2901.4 D2902.4 D2903.4 D2904.4 D2905.4 D2906.4 D2907.4 D2908.4 D2909.4 D2910.4 D2911.4 D2912.4 D2913.4 D2914.4 D2915.4 D2916.4 D2917.4 D2918.4 D2919.4 D2920.4 D2921.4 D2922.4 D2923.4 D2924.4 D2925.4 D2926.4 D2927.4 D2928.4 D2929.4 D2930.4 D2931.4 D2932.4 D2933.4 D2934.4 D2935.4 D2936.4 D2937.4 D2938.4 D2939.4 D2940.4 D2941.4 D2942.4 D2943.4 D2944.4 D2945.4 D2946.4 D2947.4 D2948.4 D2949.4 D2950.4 D2951.4 D2952.4 D2953.4 D2954.4 D2955.4 D2956.4 D2957.4 D2958.4 D2959.4 D2960.4 D2961.4 D2962.4 D2963.4 D2964.4 D2965.4 D2966.4 D2967.4 D2968.4 J1485.4 J1485.5 J1486.4 J1486.5 J1493.1 J1493#2.1 J1493#3.1 J1493#4.1 J1493#5.1 J1493#6.1 J1493#7.1 J1493#8.1 J1493#9.1 J1493#10.1 J1493#11.1 J1493#12.1 J1493#13.1 J1493#14.1 J1493#15.1 J1493#16.1 J1493#17.1 J1493#18.1 J1493#19.1 J1493#20.1 J1493#21.1 J1493#22.1 J1493#23.1 J1493#24.1 J1493#25.1 J1493#26.1 J1493#27.1 J1493#28.1 J1493#29.1 J1493#30.1 J1493#31.1 J1493#32.1 J1493#33.1 J1493#34.1 J1493#35.1 J1493#36.1 J1493#37.1 J1493#38.1 J1493#39.1 J1493#40.1 J1493#41.1 J1493#42.1 J1493#43.1 J1493#44.1 J1493#45.1 J1493#46.1
